# Altium PCB XuperMousePCB.PcbDoc (part 3 of 3)
Units mm, origin at the board's own origin, x right, y up, seen from the top; angles counter-clockwise.
Board outline 99.3 x 99 mm, 4 copper layers (Top Layer, Layer 1, Layer 2, Bottom Layer), stack 1.586 mm thick; 173 components, 111 nets, 534 pads, 762 vias.
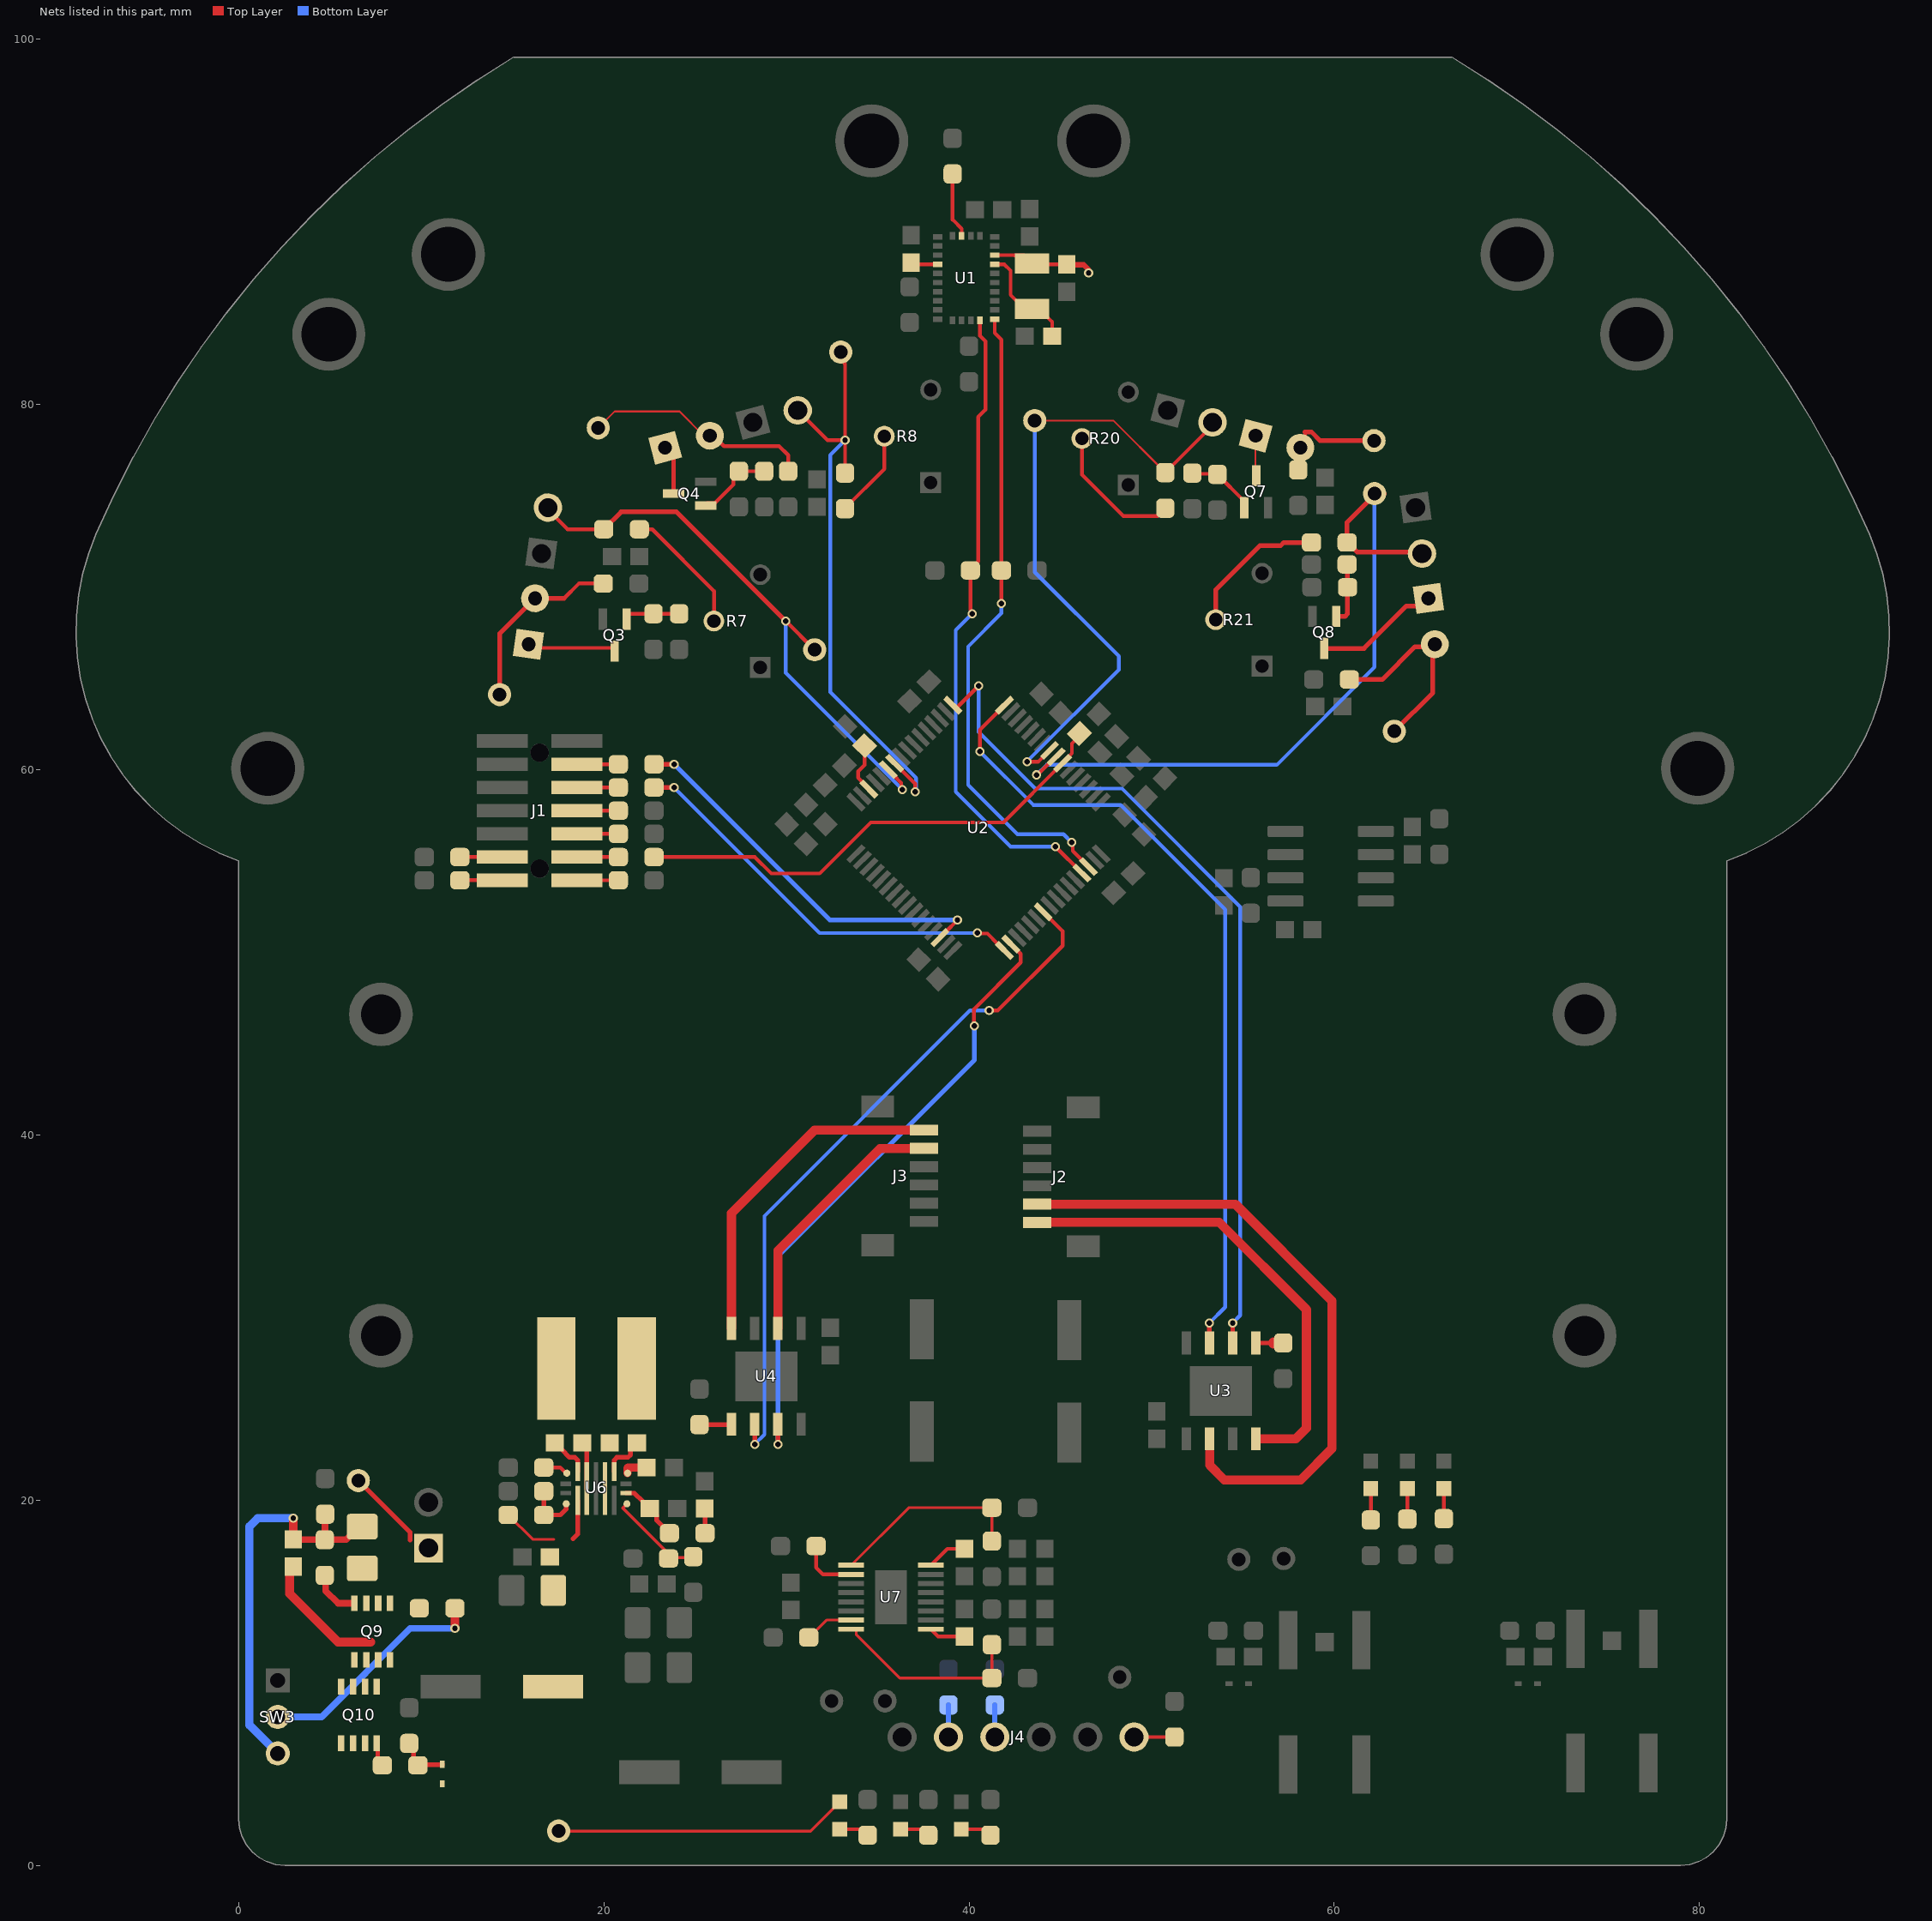
[diagram p5: the nets of this part, all layers, seen from the top]

## Via types
v1: diameter 0.5, hole 0.3, Top Layer to Bottom Layer, tented both sides, 757 vias
v2: diameter 0.6, hole 0.3, Top Layer to Bottom Layer, tented both sides, 2 vias
v3: diameter 2.007, hole 1.499, Top Layer to Bottom Layer, 2 vias
v4: diameter 0.5, hole 0.2, Top Layer to Bottom Layer, tented both sides, 1 vias

## Nets (pads, with @x,y where several pads share a name; then routed paths per layer and width w, separated by ;. In a path a pad name is that pad's centre, name@x,y a point inside that pad or via, vN(x,y) a via of type N, cw(c..) or ccw(c..) an arc to the next point about the centre after c; other vN are vias at no path point) (continued)
MTR_L_CS: R32.1 U3.1 | length 1.5
  Top Layer w0.254: U3.1@55.705,28.598 56.675,28.598
  Top Layer w0.6: 56.675,28.598 56.676,28.599 57.199,28.599 R32.1@57.2,28.6
MTR_L_PWM1: U2.16 U3.3 | length 43.7
  Top Layer w0.203: v1(40.6,60.975) 40.6,62.17 41.593,63.163 41.593,63.171 U2.16@41.625,63.203
  Top Layer w0.254: U3.3@53.165,28.598 v1(53.165,29.698)
  Bottom Layer w0.203: v1(40.6,60.975) 43.52,58.055 48.295,58.055 54.025,52.325 54.025,30.558 v1(53.165,29.698)
MTR_L_PWM2: U2.17 U3.2 | length 46.8
  Top Layer w0.203: U2.17@39.425,63.203 39.325,63.303 39.325,63.375 v1(40.525,64.575)
  Top Layer w0.254: U3.2@54.435,28.598 v1(54.435,29.698)
  Bottom Layer w0.203: v1(40.525,64.575) 40.525,62.05 43.627,58.948 48.377,58.948 54.85,52.475 54.85,30.113 v1(54.435,29.698)
MTR_R_CS: R37.1 U4.1 | length 1.8
  Top Layer w0.254: R37.1@25.245,24.127 26.97,24.127 U4.1@26.995,24.152
MTR_R_PWM1: U2.50 U4.3 | length 33.8
  Top Layer w0.203: v1(40.3,45.95) 40.275,45.975 40.275,46.875 42.831,49.431 42.831,49.897 U2.50@42.607,50.122
  Top Layer w0.254: v1(29.535,23.052) U4.3@29.535,24.152
  Bottom Layer w0.254: v1(29.535,23.052) 29.535,33.335 40.3,44.1 v1(40.3,45.95)
MTR_R_PWM2: U2.55 U4.2 | length 38.1
  Top Layer w0.203: v1(41.1,46.8) 41.575,46.8 45.125,50.35 45.125,51.139 U2.55@44.375,51.889
  Top Layer w0.254: v1(28.265,23.052) U4.2@28.265,24.152
  Bottom Layer w0.203: v1(28.265,23.052) 28.801,23.588 28.801,35.549 40.052,46.8 v1(41.1,46.8)
NetC3_2: C3.2 U1.9 | length 1.5
  Top Layer w0.203: C3.2@36.825,87.75 36.921,87.654 U1.9@38.284,87.654
NetC6_2: C6.2 U1.27 X1.1 | length 5.6
  Top Layer w0.203: U1.27@41.409,88.154 42.483,88.154 42.488,88.149 43.002,88.149 X1.1@43.45,87.7 ; X1.1@43.5,87.65 C6.2@45.35,87.65
  Top Layer w0.305: C6.2@45.35,87.65 45.375,87.625 46.281,87.625 46.513,87.394 46.513,87.212 v1(46.55,87.175)
NetC7_2: C7.2 U1.26 X1.2 | length 6
  Top Layer w0.203: U1.26@41.409,87.654 41.93,87.654 42.273,87.311 42.273,85.977 43.05,85.2 X1.2@43.45,85.2 43.85,85.2 44.55,84.5 C7.2@44.55,83.725
NetC23_2: C23.2 U2.30 | length 2.8
  Top Layer w0.203: C23.2@34.28,61.295 34.28,60.766 34.298,60.749 34.28,60.731 34.28,60.245 33.932,59.896 33.932,59.545 34.515,58.962 U2.30@34.515,58.921
NetC30_1: C30.1 U6.15 | length 2.3
  Top Layer w0.254: C30.1@17.322,23.132 17.347,23.132 17.695,22.784 17.695,22.766 18.128,22.332 18.421,22.332 18.57,22.183 18.57,21.559 U6.15@18.572,21.557
NetC30_2: C30.2 L1.1 U6.6 | length 2.6
  Top Layer w0.254: C30.2@18.822,23.132 19.072,22.882 U6.6@19.072,20.632
NetC31_1: C31.1 L1.2 U6.8
NetC31_2: C31.2 U6.14 | length 2.4
  Top Layer w0.254: U6.14@20.572,21.557 20.574,21.559 20.574,22.183 20.722,22.332 21.318,22.332 21.467,22.481 21.467,22.784 21.815,23.132 C31.2@21.822,23.132
NetC32_1: C32.1 C33.1 R48.1 R55.2 SW3.3 | length 22.4
  Top Layer w0.356: C33.1@3.025,17.825 R48.1@4.725,17.825 ; R48.1@4.738,17.825 5.907,17.825 6.625,18.543 C32.1@6.775,18.543 ; R48.1@4.738,17.838 4.738,19.212 R55.2@4.75,19.225
  Top Layer w0.45: C33.1@3,17.665 v1(3,19)
  Bottom Layer w0.45: SW3.3@2.15,6.125 0.6,7.675 0.6,18.55 1.05,19 v1@2.986,19 ; v1(3,19) v1@3.01,19.01
NetC33_2: C33.2 Q9.5 Q9.6 Q9.7 Q9.8 Q10.5 Q10.6 Q10.7 Q10.8 | length 6.9
  Top Layer w0.5: C33.2@2.8,16.264 2.8,14.875 5.45,12.225 7.225,12.225
NetC41_2: C41.2 U6.13 | length 1.3
  Top Layer w0.45: U6.13@21.306,21.473 21.306,21.763 21.325,21.782 C41.2@22.347,21.782
NetC42_2: C42.2 R57.2 U6.11 | length 3.5
  Top Layer w0.254: U6.11@21.222,20.382 21.224,20.38 21.674,20.38 22.149,19.905 22.149,19.88 22.497,19.532 22.539,19.532 22.887,19.184 22.887,18.892 R57.2@23.597,18.182
NetC43_2: C43.2 R57.1 | length 1.4
  Top Layer w0.254: C43.2@25.522,19.532 25.547,19.507 R57.1@25.547,18.182
NetC47_1: C47.1 U7.1 | length 2
  Top Layer w0.203: U7.1@37.911,12.927 38.309,12.528 C47.1@39.75,12.528
NetC48_1: C48.1 U7.8 | length 2.2
  Top Layer w0.203: U7.8@37.911,16.429 38.809,17.328 C48.1@39.75,17.328
NetD1_1: D1.1 Q3.3 | length 4.9
  Top Layer w0.203: D1.1@15.883,66.852 16.085,66.65 20.473,66.65 20.6,66.523 Q3.3@20.6,66.474
NetD1_2: D1.2 R1.1 TP3.1 | length 10.1
  Top Layer w0.203: 17.83,69.367 18.643,70.179 R1.1@19.925,70.179
  Top Layer w0.254: TP3.1@14.3,64.1 14.3,67.431 D1.2@16.237,69.367 17.83,69.367
NetD2_1: D2.1 Q4.3 | length 2.7
  Top Layer w0.254: D2.1@23.358,77.611 23.824,77.145 Q4.3@23.824,75.1
NetD2_2: D2.2 R2.1 TP4.1 | length 12.7
  Top Layer w0.102: TP4.1@19.7,78.7 20.6,79.6 24.151,79.6 25.482,78.268 D2.2@25.811,78.268
  Top Layer w0.203: D2.2@25.811,78.348 25.935,78.348 26.583,77.7 29.6,77.7 30.1,77.2 R2.1@30.1,76.325
NetD3_1: D3.1 Q7.3 | length 2.2
  Top Layer w0.102: D3.1@55.688,78.268 55.688,76.113 Q7.3@55.725,76.076
NetD3_2: D3.2 R14.1 TP7.1 | length 6.2
  Top Layer w0.203: R14.1@58.025,76.4 58.025,77.743 58.4,78.118 58.4,78.475
  Top Layer w0.254: 58.4,78.475 58.744,78.475 59.219,78 TP7.1@62.175,78
NetD4_1: D4.1 Q8.3 | length 6.7
  Top Layer w0.254: Q8.3@59.45,66.622 61.622,66.622 63.945,68.945 64.616,68.945 D4.1@65.038,69.367
NetD4_2: D4.2 R15.1 TP8.1 | length 11
  Top Layer w0.254: R15.1@60.825,64.925 62.625,64.925 64.417,66.717 65.257,66.717 65.391,66.852 65.391,64.193 TP8.1@63.285,62.087
NetD5_1: D5.1 R43.1 | length 1.7
  Top Layer w0.203: R43.1@66,18.982 D5.1@66,20.632
NetD6_1: D6.1 R44.1 | length 1.7
  Top Layer w0.203: R44.1@64,18.957 D6.1@64,20.632
NetD7_1: D7.1 R45.1 | length 1.7
  Top Layer w0.203: R45.1@62,18.907 D7.1@62,20.632
NetD10_2: D10.2 R49.1 R52.2 | length 2.8
  Top Layer w0.254: R52.2@9.35,6.675 9.587,6.437 9.587,5.713 R49.1@9.825,5.475 9.853,5.503 11.15,5.503 D10.2@11.15,5.532
NetD11_1: D11.1 R53.2 | length 1.7
  Top Layer w0.203: D11.1@32.925,1.975 34.125,1.975 R53.2@34.45,1.65
NetD12_1: D12.1 R58.2 | length 1.7
  Top Layer w0.203: D12.1@36.25,1.975 37.45,1.975 R58.2@37.775,1.65
NetD13_1: D13.1 R65.2 | length 1.7
  Top Layer w0.203: D13.1@39.575,1.975 40.85,1.975 R65.2@41.175,1.65
NetJ1_4: J1.4 R26.1 | length 2.3
  Top Layer w0.203: J1.4@18.525,60.282 R26.1@20.8,60.282
NetJ1_6: J1.6 R27.1 | length 2.3
  Top Layer w0.203: J1.6@18.525,59.012 R27.1@20.8,59.012
NetJ1_8: J1.8 R28.1 | length 2.3
  Top Layer w0.203: J1.8@18.525,57.742 R28.1@20.8,57.742
NetJ1_10: J1.10 R29.1 | length 2.3
  Top Layer w0.203: J1.10@18.525,56.472 R29.1@20.8,56.472
NetJ1_11: J1.11 R31.1 | length 2.3
  Top Layer w0.203: R31.1@12.125,55.202 J1.11@14.455,55.202
NetJ1_12: J1.12 R30.2 | length 2.3
  Top Layer w0.203: J1.12@18.525,55.202 R30.2@20.8,55.202
NetJ1_13: J1.13 R34.1 | length 2.3
  Top Layer w0.203: R34.1@12.125,53.932 J1.13@14.455,53.932
NetJ1_14: J1.14 R33.2 | length 2.3
  Top Layer w0.203: J1.14@18.525,53.932 R33.2@20.8,53.932
NetJ2_5: J2.5 U3.6 | length 34.9
  Top Layer w0.5: J2.5@43.725,36.2 54.575,36.2 59.875,30.9 59.875,22.825 58.15,21.1 53.986,21.1 53.175,21.911 53.175,22.625
NetJ2_6: J2.6 U3.8 | length 26
  Top Layer w0.5: J2.6@43.725,35.2 53.7,35.2 58.475,30.425 58.475,23.938 57.889,23.352 55.975,23.352
NetJ3_5: J3.5 U4.6 | length 14.6
  Top Layer w0.5: U4.6@29.535,29.398 29.535,33.66 35.122,39.247 J3.5@37.523,39.247
NetJ3_6: J3.6 U4.8 | length 18.7
  Top Layer w0.5: U4.8@26.995,29.398 26.995,35.695 31.55,40.25 J3.6@37.523,40.25
NetJ4_1: J4.1 R35.1 | length 2.3
  Top Layer w0.203: J4.1@49.035,7.025 R35.1@51.25,7.025 R35.1@51.275,7
NetJ4_4: J4.4 R36.1 | length 1.8
  Bottom Layer w0.279: J4.4@41.415,7.025 R36.1@41.415,8.778
NetJ4_5: J4.5 R38.1 | length 1.8
  Bottom Layer w0.279: J4.5@38.875,7.025 R38.1@38.875,8.778
NetQ3_1: Q3.1 R9.1 R11.1 | length 3.1
  Top Layer w0.203: Q3.1@21.25,68.226 21.25,68.398 21.377,68.525 R9.1@22.725,68.525 R11.1@24.125,68.525
NetQ4_1: Q4.1 R10.1 R12.1 | length 4.3
  Top Layer w0.203: Q4.1@25.531,74.45 25.658,74.577 26.077,74.577 27.099,75.599 27.099,76.024 R12.1@27.4,76.325 R10.1@28.787,76.325
NetQ7_1: Q7.1 R22.1 R25.1 | length 3.8
  Top Layer w0.203: R22.1@52.225,76.225 52.263,76.187 53.563,76.187 R25.1@53.6,76.15 53.604,76.15 55.075,74.679 Q7.1@55.075,74.324
NetQ8_1: Q8.1 R23.1 R24.1 | length 3.4
  Top Layer w0.254: Q8.1@60.1,68.375 60.576,68.375 60.725,68.524 R24.1@60.725,69.975 60.712,69.988 60.712,71.213 R23.1@60.7,71.225
NetQ9_4: Q9.4 R48.2 | length 2.7
  Top Layer w0.356: R48.2@4.725,15.875 4.775,15.825 4.775,15.025 5.451,14.349 Q9.4@6.35,14.349
NetQ10_4: Q10.4 R49.2 | length 1.3
  Top Layer w0.254: Q10.4@7.575,6.676 7.626,6.625 7.626,5.724 R49.2@7.875,5.475
NetR3_2: R3.2 U1.4 | length 3.6
  Top Layer w0.203: R3.2@39.1,92.6 39.1,90.1 39.596,89.604 U1.4@39.596,89.217
NetR5_2: R5.2 R7.2 | length 6.8
  Top Layer w0.203: R5.2@21.95,73.15 21.961,73.139 22.661,73.139 26.044,69.756 26.044,68.437 R7.2@26.05,68.432
NetR6_2: R6.2 R8.2 | length 4.9
  Top Layer w0.203: R6.2@33.213,74.275 33.213,74.3 35.36,76.447 R8.2@35.36,78.24
NetR18_2: R18.2 R20.2 | length 7.7
  Top Layer w0.203: R20.2@46.185,78.115 46.185,76.14 48.45,73.875 50.325,73.875 R18.2@50.75,74.3
NetR19_2: R19.2 R21.2 | length 7.9
  Top Layer w0.254: R21.2@53.505,68.2 53.505,69.83 55.923,72.248 57.054,72.248 57.231,72.425 R19.2@58.75,72.425
NetR46_1: R46.1 SW3.2 | length 12.8
  Top Layer w0.45: v1(11.85,12.975) R46.1@11.85,14.075
  Bottom Layer w0.356: SW3.2@2.15,8.125 4.55,8.125 9.4,12.975 v1(11.85,12.975)
NetR47_1: R47.1 R54.2 U6.4 | length 2.9
  Top Layer w0.254: R54.2@16.722,20.482 R47.1@16.722,19.182 17.622,19.182 17.936,19.497 17.936,19.784 U6.4@17.945,19.793
NetR50_1: R50.1 R56.2 U6.10 | length 5.5
  Top Layer w0.178: U6.10@21.27,19.793 21.039,19.561 23.55,17.05 R50.1@23.55,16.8 23.6,16.85 24.85,16.85 R56.2@24.9,16.9
NetR51_1: R51.1 U6.1 | length 1.4
  Top Layer w0.203: R51.1@16.722,21.782 17.622,21.782 17.931,21.473 U6.1@17.981,21.473
NetR59_1: R59.1 R62.2 U7.16 | length 10.8
  Top Layer w0.152: U7.16@33.542,12.927 33.757,12.927 33.821,12.863 33.821,12.648 36.216,10.253 R62.2@41.25,10.253 R59.1@41.25,12.078
NetR60_1: R60.1 U7.10 | length 3.2
  Top Layer w0.203: R60.1@31.625,17.478 31.625,16.303 31.999,15.929 U7.10@33.542,15.929
NetR61_1: R61.1 U7.15 | length 2.7
  Top Layer w0.152: R61.1@31.225,12.478 31.25,12.478 32.199,13.427 U7.15@33.542,13.427
NetR63_1: R63.1 R64.2 U7.9 | length 10.8
  Top Layer w0.152: U7.9@33.542,16.429 36.691,19.578 R64.2@41.25,19.578 R63.1@41.25,17.753
nRST: C12.2 R30.1 U2.7 | length 27.3
  Top Layer w0.203: R30.1@22.75,55.202 28.273,55.202 29.175,54.3 31.825,54.3 34.625,57.1 41,57.1 41.886,57.1 U2.7@45.121,60.336 45.121,60.372 45.632,60.883 45.632,61.413 46.045,61.826 C12.2@46.045,61.97
PT1: Q1.2 R5.1 TP1.1 U2.27 | length 32
  Top Layer w0.203: Q1.2@16.827,74.337 18.013,73.15 R5.1@20,73.15 ; v1(29.96,68.125) 31.535,66.55 TP1.1@32,66.55 ; U2.27@35.89,59.668 36.293,59.264 36.293,58.957 v1(36.35,58.9)
  Top Layer w0.254: R5.1@20,73.15 20.95,74.1 23.985,74.1 v1(29.96,68.125)
  Bottom Layer w0.203: v1(29.96,68.125) 29.96,65.29 v1(36.35,58.9)
PT2: Q2.2 R6.1 TP2.1 U2.26 | length 33.2
  Top Layer w0.203: Q2.2@30.544,79.736 32.255,78.025 v1(33.213,78.025) ; TP2.1@32.975,82.85 33.179,82.646 33.179,82.231 33.213,82.198 v1(33.213,78.025) ; R6.1@33.213,76.225 v1(33.213,78.025) ; U2.26@36.243,60.021 37.046,59.218 v1(37.046,58.775)
  Bottom Layer w0.203: v1(33.213,78.025) 32.4,77.212 32.4,64.236 37.103,59.533 37.103,58.832 v1(37.046,58.775)
PT3: Q5.2 R18.1 TP5.1 U2.9 | length 35.9
  Top Layer w0.102: TP5.1@43.6,79.1 47.9,79.1 R18.1@50.75,76.25
  Top Layer w0.203: v1(43.173,60.426) 43.797,60.426 44.064,60.692 U2.9@44.1,60.728 ; R18.1@50.75,76.25 Q5.2@53.5,79
  Bottom Layer w0.203: v1(43.173,60.426) 48.2,65.453 48.2,66.2 43.6,70.8 TP5.1@43.6,79.1
PT4: Q6.2 R19.1 TP6.1 U2.8 | length 39.6
  Top Layer w0.203: v1(43.7,59.7) 43.739,59.7 44.414,60.375 U2.8@44.453,60.375
  Top Layer w0.254: TP6.1@62.732,75.1 62.275,75.1 60.7,73.525 R19.1@60.7,72.425 60.722,72.425 61.247,71.9 Q6.2@64.801,71.9
  Bottom Layer w0.203: v1(43.7,59.7) 44.25,60.25 56.85,60.25 62.2,65.6 TP6.1@62.2,75.1
Sensor_SCL: R17.2 U1.19 U2.61 | length 35.4
  Top Layer w0.203: v1(40.175,68.525) 40.175,68.605 40.075,68.705 40.075,70.951 40.5,71.376 40.5,79.3 40.9,79.7 40.9,83.441 40.596,83.745 U1.19@40.596,84.592 ; v1(44.732,55.775) U2.61@46.182,54.325
  Bottom Layer w0.203: v1(40.175,68.525) 39.275,67.625 39.275,58.775 42.275,55.775 v1(44.732,55.775)
Sensor_SDA: R16.2 U1.20 U2.62 | length 34.6
  Top Layer w0.203: U1.20@41.409,84.654 41.409,83.891 41.775,83.525 R16.2@41.775,70.896 v1(41.775,69.075) ; v1(45.625,56) 45.682,55.943 45.682,55.532 U2.62@46.221,54.993
  Bottom Layer w0.203: v1(41.775,69.075) 41.775,68.55 39.95,66.725 39.95,59.15 42.65,56.45 45.175,56.45 v1(45.625,56)
SWCLK: R27.2 U2.49 | length 22.4
  Top Layer w0.203: v1(40.45,51.05) 40.485,51.015 41.005,51.015 41.588,50.432 41.59,50.432 U2.49@41.625,50.397
  Top Layer w0.254: R27.2@22.75,59.012 v1(23.85,59.012)
  Bottom Layer w0.203: v1(23.85,59.012) 31.819,51.043 40.443,51.043 v1(40.45,51.05)
SWDIO: R26.2 U2.46 | length 21.1
  Top Layer w0.203: U2.46@38.718,51.104 v1(39.364,51.75)
  Top Layer w0.254: R26.2@22.75,60.282 v1(23.85,60.282)
  Bottom Layer w0.254: v1(23.85,60.282) 32.382,51.75 v1(39.364,51.75)
VBAT: C32.2 J5.1 Q9.1 Q9.2 Q9.3 R46.2 TP9.1 | length 4.4
  Top Layer w0.254: TP9.1@6.56,21.065 9.4,18.225 9.4,17.8
VBAT_SAFE: C34.1 C35.2 C36.2 D10.1 D11.2 Q10.1 Q10.2 Q10.3 R47.2 TP10.1 U6.5 | length 21.3
  Top Layer w0.152: R47.2@14.772,19.182 16.104,17.85 17.275,17.85 ; TP10.1@17.525,1.875 31.325,1.875 D11.2@32.925,3.475
  Top Layer w0.254: 18.322,17.882 18.572,18.132 U6.5@18.572,19.982
pads on no net: J1. J1.1 J1.2 J1.9 J2.0 J3.0 J4.6 R7.3 R8.3 R20.3 R21.3 R28.2 R29.2 SW1.A2 SW1.B1 SW1.G1 SW2.A2 SW2.B1 SW2.G1 SW3.1 U1.1 U1.7 U1.8 U1.10 U1.12 U1.13 U1.14 U1.15 U1.16 U1.21 U1.22 U1.23 U1.24 U2.2 U2.3 U2.4 U2.6 U2.10 U2.14 U2.15 U2.28 U2.29 U2.34 U2.35 U2.36 U2.39 U2.40 U2.41 U2.54 U6.2 U6.3 U7.2
copper on no net:
  other v3: 2.15,4.025 2.15,12.225

## Polygon pours and split planes (outlines as drawn)
VBAT on Top Layer "VBAT_L01_P016" (solid, pour order 16): 5.632,16.757 6.05,17.175 8.049,17.175 9.1,18.226 9.1,18.25 11.425,18.25 11.575,18.1 11.575,15.325 10.875,14.625 10.875,13.608 10.492,13.225 8.983,13.225 8.558,13.65 6.9,13.65 6.9,13.675 6.65,13.925 6.65,14.952 6.221,15.381 5.81,15.381 5.632,15.559
3V3 on Top Layer "3V3_L01_P013" (solid, pour order 13): 37.212,16.075 37.212,15.278 52.003,15.278 52.47,15.745 52.47,20.68 52.025,21.125 46.541,21.125 45.15,19.734 45.15,16.978 44.665,16.493 39.141,16.493 38.723,16.075
NetC33_2 on Top Layer "NETC33_2_L01_P017" (solid, pour order 17): 5.444,7.873 5.45,7.879 5.45,12.432 6.169,13.152 8.65,13.152 9.001,12.8 9.001,9.727 8.276,9.002 8.276,8.067 8.083,7.873
NetC31_1 on Top Layer "Top Layer-NetC26_1" (solid, pour order 6): 20.172,21.732 20.822,22.382 20.822,23.682 21.022,23.882 22.772,23.882 23.022,24.132 23.022,30.257 22.797,30.482 20.122,30.482 19.822,30.182 19.822,21.857 19.947,21.732
NetC30_2 on Top Layer "Top Layer-NetC25_2" (solid, pour order 5): 18.972,21.732 18.322,22.382 18.322,23.682 18.122,23.882 16.372,23.882 16.122,24.132 16.122,30.257 16.347,30.482 19.022,30.482 19.322,30.182 19.322,22.157 19.322,21.832 19.222,21.732
6V0 on Top Layer "6V0_L01_P003" (solid, pour order 3): 20.593,19.457 20.447,19.457 20.347,19.357 20.347,19.082 20.097,18.832 20.097,4.003 20.7,3.4 24.019,3.4 24.522,3.902 24.522,8.478 22.825,10.175 22.825,17.225
1V8 on Top Layer "1V8_L01_P014" (solid, pour order 14): 37.212,13.779 37.212,14.576 48.919,14.576 49.334,14.161 49.334,9.386 45.884,9.386 45.05,10.22 45.05,12.978 44.667,13.361 39.141,13.361 38.723,13.779
VBAT_SAFE on Top Layer "VBAT_SAFE_L01_P010" (solid, pour order 10): 4.649,0.526 4.649,6.76 5.126,7.237 7,7.237 7.2,7.037 7.2,0.013 5.162,0.013
VBAT_SAFE on Top Layer "VBAT_SAFE_L01_P011" (solid, pour order 11): 7.025,4.85 12.025,4.85 13.1,5.925 14.568,5.925 15.15,6.507 15.15,0 7.025,0
VBAT_SAFE on Top Layer "VBAT_SAFE_L01_P004" (solid, pour order 4): 18.572,19.457 18.697,19.457 18.697,19.032 19.047,18.682 19.047,0.647 18.4,0 14.622,0 14.622,11.957 16.497,13.832 16.497,17.382
3V3 on Bottom Layer "3V3_L04_P024" (solid, remove dead copper, pour order 24): 66.424,99 15.076,99 13.085,97.747 11.147,96.412 9.266,94.999 7.445,93.508 5.688,91.944 3.996,90.308 2.374,88.604 0.824,86.834 -0.651,85.001 -2.05,83.109 -3.369,81.16 -4.606,79.159 -5.759,77.108 -6.826,75.011 -7.805,72.872 -8.217,71.797 -8.534,70.69 -8.754,69.561 -8.877,68.416 -8.9,67.266 -8.823,66.117 -8.648,64.98 -8.376,63.861 -8.008,62.771 -7.547,61.716 -6.997,60.705 -6.362,59.745 -5.647,58.844 -4.856,58.007 -3.996,57.242 -3.074,56.554 -2.095,55.948 -1.068,55.429 0,55 0,2.54 0.049,2.045 0.193,1.568 0.428,1.129 0.744,0.744 1.129,0.428 1.568,0.193 2.045,0.049 2.54,0 78.96,0 79.455,0.049 79.932,0.193 80.371,0.428 80.756,0.744 81.072,1.129 81.307,1.568 81.451,2.045 81.5,2.54 81.5,55 82.568,55.429 83.595,55.948 84.574,56.554 85.496,57.242 86.356,58.007 87.147,58.844 87.862,59.745 88.497,60.705 89.047,61.716 89.508,62.771 89.876,63.861 90.148,64.98 90.323,66.117 90.4,67.266 90.377,68.416 90.254,69.561 90.034,70.69 89.717,71.797 89.305,72.872 88.326,75.011 87.259,77.108 86.106,79.159 84.869,81.16 83.55,83.109 82.151,85.001 80.676,86.834 79.126,88.604 77.504,90.308 75.812,91.944 74.055,93.508 72.234,94.999 70.353,96.412 68.415,97.747
1V8 on Bottom Layer "1V8_L04_P020" (solid, pour order 20): 45.884,9.386 49.334,9.386 49.334,14.161 48.919,14.576 45.451,14.576 45.05,14.175 45.05,10.22
GND on Layer 1 "GND_L02_P022" (solid, pour order 22): 66.424,99 15.076,99 13.085,97.747 11.147,96.412 9.266,94.999 7.445,93.508 5.688,91.944 3.996,90.308 2.374,88.604 0.824,86.834 -0.651,85.001 -2.05,83.109 -3.369,81.16 -4.606,79.159 -5.759,77.108 -6.826,75.011 -7.805,72.872 -8.217,71.797 -8.534,70.69 -8.754,69.561 -8.877,68.416 -8.9,67.266 -8.823,66.117 -8.648,64.98 -8.376,63.861 -8.008,62.771 -7.547,61.716 -6.997,60.705 -6.362,59.745 -5.647,58.844 -4.856,58.007 -3.996,57.242 -3.074,56.554 -2.095,55.948 -1.068,55.429 0,55 0,2.54 0.049,2.045 0.193,1.568 0.428,1.129 0.744,0.744 1.129,0.428 1.568,0.193 2.045,0.049 2.54,0 78.96,0 79.455,0.049 79.932,0.193 80.371,0.428 80.756,0.744 81.072,1.129 81.307,1.568 81.451,2.045 81.5,2.54 81.5,55 82.568,55.429 83.595,55.948 84.574,56.554 85.496,57.242 86.356,58.007 87.147,58.844 87.862,59.745 88.497,60.705 89.047,61.716 89.508,62.771 89.876,63.861 90.148,64.98 90.323,66.117 90.4,67.266 90.377,68.416 90.254,69.561 90.034,70.69 89.717,71.797 89.305,72.872 88.326,75.011 87.259,77.108 86.106,79.159 84.869,81.16 83.55,83.109 82.151,85.001 80.676,86.834 79.126,88.604 77.504,90.308 75.812,91.944 74.055,93.508 72.234,94.999 70.353,96.412 68.415,97.747
GND on Layer 2 "GND_L03_P023" (solid, pour order 23): 66.424,99 15.076,99 13.085,97.747 11.147,96.412 9.266,94.999 7.445,93.508 5.688,91.944 3.996,90.308 2.374,88.604 0.824,86.834 -0.651,85.001 -2.05,83.109 -3.369,81.16 -4.606,79.159 -5.759,77.108 -6.826,75.011 -7.805,72.872 -8.217,71.797 -8.534,70.69 -8.754,69.561 -8.877,68.416 -8.9,67.266 -8.823,66.117 -8.648,64.98 -8.376,63.861 -8.008,62.771 -7.547,61.716 -6.997,60.705 -6.362,59.745 -5.647,58.844 -4.856,58.007 -3.996,57.242 -3.074,56.554 -2.095,55.948 -1.068,55.429 0,55 0,2.54 0.049,2.045 0.193,1.568 0.428,1.129 0.744,0.744 1.129,0.428 1.568,0.193 2.045,0.049 2.54,0 78.96,0 79.455,0.049 79.932,0.193 80.371,0.428 80.756,0.744 81.072,1.129 81.307,1.568 81.451,2.045 81.5,2.54 81.5,55 82.568,55.429 83.595,55.948 84.574,56.554 85.496,57.242 86.356,58.007 87.147,58.844 87.862,59.745 88.497,60.705 89.047,61.716 89.508,62.771 89.876,63.861 90.148,64.98 90.323,66.117 90.4,67.266 90.377,68.416 90.254,69.561 90.034,70.69 89.717,71.797 89.305,72.872 88.326,75.011 87.259,77.108 86.106,79.159 84.869,81.16 83.55,83.109 82.151,85.001 80.676,86.834 79.126,88.604 77.504,90.308 75.812,91.944 74.055,93.508 72.234,94.999 70.353,96.412 68.415,97.747

## Silkscreen, mask and mechanical layers (free items; w line width, h text height)
Top Overlay:
  drawing of 108 lines, arcs and shapes, not listed
  text "https://tenor.com/view/kirby-kiss-kirby-kiss-kirby-super-star-kirby-super-star-kiss-gif-25332268" at 40.525,50.8 h1.1 r45
  text "Motor go brrrr" at 11.054,37.762 h1.52
  text "power!" at 11.9,21.6 h1.2 r270
  text "VBAT" at 31.2,4.3 h1.52
  text "6V0" at 35.7,4.3 h1.52
  text "3V3" at 39.1,4.3 h1.52
Bottom Overlay:
  text "BS, KH, DV, JN" at 72.5,2.2 h1.52
Board Shape:
  lines w1.2: -8.9,67.266 -8.877,68.416 -8.754,69.561 -8.534,70.69 -8.217,71.797 -7.805,72.872 -6.826,75.011 -5.759,77.108 -4.606,79.159 -3.369,81.16 -2.05,83.109 -0.651,85.001 0.824,86.834 2.374,88.604 3.996,90.308 5.688,91.944 7.445,93.508 9.266,94.999 11.147,96.412 13.085,97.747 15.076,99 66.424,99 68.415,97.747 70.353,96.412 72.234,94.999 74.055,93.508 75.812,91.944 77.504,90.308 79.126,88.604 80.676,86.834 82.151,85.001 83.55,83.109 84.869,81.16 86.106,79.159 87.259,77.108 88.326,75.011 89.305,72.872 89.717,71.797 90.034,70.69 90.254,69.561 90.377,68.416 90.4,67.266 90.323,66.117 90.148,64.98 89.876,63.861 89.508,62.771 89.047,61.716 88.497,60.705 87.862,59.745 87.147,58.844 86.356,58.007 85.496,57.242 84.574,56.554 83.595,55.948 82.568,55.429 81.5,55 81.5,44.15 72.271,44.15 71.969,43.848 71.969,32.306 72.35,31.925 81.5,31.925 81.5,2.54 81.451,2.045 81.307,1.568 81.072,1.129 80.756,0.744 80.371,0.428 79.932,0.193 79.455,0.049 78.96,0 2.54,0 2.045,0.049 1.568,0.193 1.129,0.428 0.744,0.744 0.428,1.129 0.193,1.568 0.049,2.045 0,2.54 0,31.925 9.194,31.925 9.45,32.181 9.45,43.85 9.15,44.15 0,44.15 0,55 -1.068,55.429 -2.095,55.948 -3.074,56.554 -3.996,57.242 -4.856,58.007 -5.647,58.844 -6.362,59.745 -6.997,60.705 -7.547,61.716 -8.008,62.771 -8.376,63.861 -8.648,64.98 -8.823,66.117 -8.9,67.266
LayerStackup:
  drawing of 295 lines, arcs and shapes, not listed
  text "Layer" at -17.072,138.298 h1.52
  text "Name" at -6.66,138.298 h1.52
  text "Material" at 16.956,138.298 h1.52
  text "Thickness" at 38.794,138.298 h1.52
  text "Constant" at 55.3,138.298 h1.52
  text "Board Layer Stack" at 69.774,138.298 h1.52
  text "Top Overlay" at -6.66,135.25 h1.52
  text "Top Solder" at -6.66,132.202 h1.52
  text "Solder Resist" at 16.956,132.202 h1.52
  text "0.030mm" at 38.794,132.202 h1.52
  text "3.8" at 55.3,132.202 h1.52
  text "1" at -17.072,129.154 h1.52
  text "Top Layer" at -6.66,129.154 h1.52
  text "0.035mm" at 38.794,129.154 h1.52
  text "Dielectric 2" at -6.66,126.106 h1.52
  text "PP-006" at 16.956,126.106 h1.52
  text "0.210mm" at 38.794,126.106 h1.52
  text "4.4" at 55.3,126.106 h1.52
  text "2" at -17.072,123.058 h1.52
  text "Layer 1" at -6.66,123.058 h1.52
  text "CF-004" at 16.956,123.058 h1.52
  text "0.015mm" at 38.794,123.058 h1.52
  text "Dielectric 1" at -6.66,120.01 h1.52
  text "FR-4" at 16.956,120.01 h1.52
  text "1.065mm" at 38.794,120.01 h1.52
  text "4.6" at 55.3,120.01 h1.52
  text "3" at -17.072,116.962 h1.52
  text "Layer 2" at -6.66,116.962 h1.52
  text "CF-004" at 16.956,116.962 h1.52
  text "0.015mm" at 38.794,116.962 h1.52
  text "Dielectric 3" at -6.66,113.914 h1.52
  text "PP-006" at 16.956,113.914 h1.52
  text "0.210mm" at 38.794,113.914 h1.52
  text "4.4" at 55.3,113.914 h1.52
  text "4" at -17.072,110.866 h1.52
  text "Bottom Layer" at -6.66,110.866 h1.52
  text "0.035mm" at 38.794,110.866 h1.52
  text "Bottom Solder" at -6.66,107.818 h1.52
  text "Solder Resist" at 16.956,107.818 h1.52
  text "0.030mm" at 38.794,107.818 h1.52
  text "3.8" at 55.3,107.818 h1.52
  text "Bottom Overlay" at -6.66,104.77 h1.52
  text "Total board thickness:" at -17.072,101.722 h1.52
  text "1.647mm" at 38.794,101.722 h1.52
Drill Drawing:
  circle w0.254: c102.359,20.461 r0.847
  circle w0.254: c102.359,12.841 r0.508
  circle w0.254: c102.359,12.841 r0.847
  lines w0.254: 101.513,4.374 101.513,4.797 101.936,5.221 101.513,5.644 101.513,6.067 101.936,6.067 102.359,5.644 102.783,6.067 103.206,6.067 103.206,5.644 102.783,5.221 103.206,4.797 103.206,4.374 102.783,4.374 102.359,4.797 101.936,4.374 101.513,4.374 ; 101.513,8.607 101.936,8.607 101.936,8.184 102.783,8.184 102.783,8.607 103.206,8.607 103.206,9.454 102.783,9.454 102.783,9.877 101.936,9.877 101.936,9.454 101.513,9.454 101.513,8.607 ; 101.513,15.804 102.359,16.227 103.206,15.804 102.783,16.651 103.206,17.497 102.359,17.074 101.513,17.497 101.936,16.651 101.513,15.804 ; 101.513,23.424 103.206,23.424 103.206,25.117 101.513,25.117 101.513,23.424 ; 101.513,27.234 102.359,27.657 103.206,27.234 102.783,28.081 103.206,28.927 102.359,28.504 101.513,28.927 101.936,28.081 101.513,27.234 ; 101.513,31.044 103.206,31.044 103.206,32.737 101.513,32.737 101.513,31.044 ; 101.513,35.701 102.359,34.854 103.206,35.701 102.359,36.547 101.513,35.701 ; 101.513,40.357 103.206,40.357 102.359,38.664 101.513,40.357 ; 101.513,44.167 103.206,44.167 102.359,42.474 101.513,44.167 ; 101.513,46.707 101.936,46.707 101.936,46.284 102.783,46.284 102.783,46.707 103.206,46.707 103.206,47.554 102.783,47.554 102.783,47.977 101.936,47.977 101.936,47.554 101.513,47.554 101.513,46.707 ; 101.513,50.517 101.936,50.517 102.359,50.094 102.783,50.517 103.206,50.517 102.783,50.941 103.206,51.364 102.783,51.364 102.359,51.787 101.936,51.364 101.513,51.364 101.936,50.941 101.513,50.517 ; 101.851,8.777 102.105,8.777 102.105,8.523 102.613,8.523 102.613,8.777 102.867,8.777 102.867,9.285 102.613,9.285 102.613,9.539 102.105,9.539 102.105,9.285 101.851,9.285 101.851,8.777 ; 101.851,27.573 102.359,27.827 102.867,27.573 102.613,28.081 102.867,28.589 102.359,28.335 101.851,28.589 102.105,28.081 101.851,27.573 ; 101.851,31.383 102.867,31.383 102.867,32.399 101.851,32.399 101.851,31.383 ; 101.851,40.019 102.867,40.019 102.359,39.003 101.851,40.019 ; 101.851,50.687 102.105,50.687 102.359,50.433 102.613,50.687 102.867,50.687 102.613,50.941 102.867,51.195 102.613,51.195 102.359,51.449 102.105,51.195 101.851,51.195 102.105,50.941 101.851,50.687
  lines w0.381: 99.994,3.231 291,3.231 ; 99.994,52.761 291,52.761 ; 113.986,-0.579 113.986,56.571 ; 129.222,-0.579 129.222,56.571 ; 157.662,-0.579 157.662,56.571 ; 170.511,-0.579 170.511,56.571 ; 189.15,-0.579 189.15,56.571 ; 227.238,-0.579 227.238,56.571 ; 242.22,-0.579 242.22,56.571 ; 261.164,-0.579 261.164,56.571 ; 99.994,-0.579 291,-0.579 291,56.571 99.994,56.571 99.994,-0.579
  text "Symbol" at 102.28,53.904 h1.83
  text "Count" at 115.129,53.904 h1.83
  text "Hole Size" at 130.365,53.904 h1.83
  text "Plated" at 158.805,53.904 h1.83
  text "Hole Type" at 171.654,53.904 h1.83
  text "Drill Layer Pair" at 190.293,53.904 h1.83
  text "Via/Pad" at 228.381,53.904 h1.83
  text "Pad Shape" at 243.363,53.904 h1.83
  text "Template" at 262.307,53.904 h1.83
  text "1" at 115.129,50.094 h1.52
  text "0.200mm (7.87mil)" at 130.365,50.094 h1.52
  text "PTH" at 158.805,50.094 h1.52
  text "Round" at 171.654,50.094 h1.52
  text "Top Layer - Bottom Layer" at 190.293,50.094 h1.52
  text "Via" at 228.381,50.094 h1.52
  text "Rounded" at 243.363,50.094 h1.52
  text "v50h20m0mx0" at 262.307,50.094 h1.52
  text "759" at 115.129,46.284 h1.52
  text "0.300mm (11.81mil)" at 130.365,46.284 h1.52
  text "PTH" at 158.805,46.284 h1.52
  text "Round" at 171.654,46.284 h1.52
  text "Top Layer - Bottom Layer" at 190.293,46.284 h1.52
  text "Via" at 228.381,46.284 h1.52
  text "Rounded" at 243.363,46.284 h1.52
  text "(Mixed)" at 262.307,46.284 h1.52
  text "12" at 115.129,42.474 h1.52
  text "0.740mm (29.13mil)" at 130.365,42.474 h1.52
  text "PTH" at 158.805,42.474 h1.52
  text "Round" at 171.654,42.474 h1.52
  text "Top Layer - Bottom Layer" at 190.293,42.474 h1.52
  text "Pad" at 228.381,42.474 h1.52
  text "Rounded" at 243.363,42.474 h1.52
  text "(Mixed)" at 262.307,42.474 h1.52
  text "15" at 115.129,38.664 h1.52
  text "0.750mm (29.53mil)" at 130.365,38.664 h1.52
  text "PTH" at 158.805,38.664 h1.52
  text "Round" at 171.654,38.664 h1.52
  text "Top Layer - Bottom Layer" at 190.293,38.664 h1.52
  text "Pad" at 228.381,38.664 h1.52
  text "Rounded" at 243.363,38.664 h1.52
  text "c127h75" at 262.307,38.664 h1.52
  text "8" at 115.129,34.854 h1.52
  text "0.762mm (30.00mil)" at 130.365,34.854 h1.52
  text "PTH" at 158.805,34.854 h1.52
  text "Round" at 171.654,34.854 h1.52
  text "Top Layer - Bottom Layer" at 190.293,34.854 h1.52
  text "Pad" at 228.381,34.854 h1.52
  text "(Mixed)" at 243.363,34.854 h1.52
  text "(Mixed)" at 262.307,34.854 h1.52
  text "3" at 115.129,31.044 h1.52
  text "0.813mm (32.00mil)" at 130.365,31.044 h1.52
  text "PTH" at 158.805,31.044 h1.52
  text "Round" at 171.654,31.044 h1.52
  text "Top Layer - Bottom Layer" at 190.293,31.044 h1.52
  text "Pad" at 228.381,31.044 h1.52
  text "(Mixed)" at 243.363,31.044 h1.52
  text "(Mixed)" at 262.307,31.044 h1.52
  text "6" at 115.129,27.234 h1.52
  text "1.016mm (40.00mil)" at 130.365,27.234 h1.52
  text "PTH" at 158.805,27.234 h1.52
  text "Round" at 171.654,27.234 h1.52
  text "Top Layer - Bottom Layer" at 190.293,27.234 h1.52
  text "Pad" at 228.381,27.234 h1.52
  text "Rounded" at 243.363,27.234 h1.52
  text "c160h102z152m160p0" at 262.307,27.234 h1.52
  text "2" at 115.129,23.424 h1.52
  text "1.020mm (40.16mil)" at 130.365,23.424 h1.52
  text "NPTH" at 158.805,23.424 h1.52
  text "Round" at 171.654,23.424 h1.52
  text "Top Layer - Bottom Layer" at 190.293,23.424 h1.52
  text "Pad" at 228.381,23.424 h1.52
  text "Rounded" at 243.363,23.424 h1.52
  text "c102hn102m102p0" at 262.307,23.424 h1.52
  text "8" at 115.129,19.614 h1.52
  text "1.040mm (40.95mil)" at 130.365,19.614 h1.52
  text "PTH" at 158.805,19.614 h1.52
  text "Round" at 171.654,19.614 h1.52
  text "Top Layer - Bottom Layer" at 190.293,19.614 h1.52
  text "Pad" at 228.381,19.614 h1.52
  text "Rounded" at 243.363,19.614 h1.52
  text "(Mixed)" at 262.307,19.614 h1.52
  text "2" at 115.129,15.804 h1.52
  text "1.050mm (41.34mil)" at 130.365,15.804 h1.52
  text "PTH" at 158.805,15.804 h1.52
  text "Round" at 171.654,15.804 h1.52
  text "Top Layer - Bottom Layer" at 190.293,15.804 h1.52
  text "Pad" at 228.381,15.804 h1.52
  text "Rounded" at 243.363,15.804 h1.52
  text "(Mixed)" at 262.307,15.804 h1.52
  text "2" at 115.129,11.994 h1.52
  text "1.499mm (59.00mil)" at 130.365,11.994 h1.52
  text "PTH" at 158.805,11.994 h1.52
  text "Round" at 171.654,11.994 h1.52
  text "Top Layer - Bottom Layer" at 190.293,11.994 h1.52
  text "Via" at 228.381,11.994 h1.52
  text "Rounded" at 243.363,11.994 h1.52
  text "v201h150" at 262.307,11.994 h1.52
  text "4" at 115.129,8.184 h1.52
  text "2.180mm (85.83mil)" at 130.365,8.184 h1.52
  text "PTH" at 158.805,8.184 h1.52
  text "Round" at 171.654,8.184 h1.52
  text "Top Layer - Bottom Layer" at 190.293,8.184 h1.52
  text "Pad" at 228.381,8.184 h1.52
  text "Rounded" at 243.363,8.184 h1.52
  text "c350h218" at 262.307,8.184 h1.52
  text "8" at 115.129,4.374 h1.52
  text "3.000mm (118.11mil)" at 130.365,4.374 h1.52
  text "PTH" at 158.805,4.374 h1.52
  text "Round" at 171.654,4.374 h1.52
  text "Top Layer - Bottom Layer" at 190.293,4.374 h1.52
  text "Pad" at 228.381,4.374 h1.52
  text "Rounded" at 243.363,4.374 h1.52
  text "c400h300" at 262.307,4.374 h1.52
  text "830 Total" at 115.129,0.564 h1.52

## Text inside footprints (layer, text, board x,y; h text height)
D8: Mechanical 13 "*" at 55.251,10.585 h1.27 r180
D9: Mechanical 13 "*" at 71.083,10.585 h1.27 r180
D10: Mechanical 13 "*" at 11.785,4.517 h1.27 r90
Q9: Mechanical 13 "*" at 7.665,13.6 h1.27 r270
Q10: Mechanical 13 "*" at 6.26,7.425 h1.27 r90
U2: Mechanical 13 "RefDes2" at 41.648,58.821 h1.27 r225
U3: Mechanical 13 "*" at 54.956,27.905 h1.27 r270
U4: Mechanical 13 "*" at 27.744,24.845 h1.27 r90